# Altium PCB AD9361_EXT.PcbDoc (part 7 of 9)
Units mil, origin at the board's own origin, x right, y up, seen from the top; angles counter-clockwise.
Board outline 3145.03 x 1955.03 mil, 2 copper layers (Top Layer, Bottom Layer); 53 components, 59 nets, 286 pads, 253 vias.
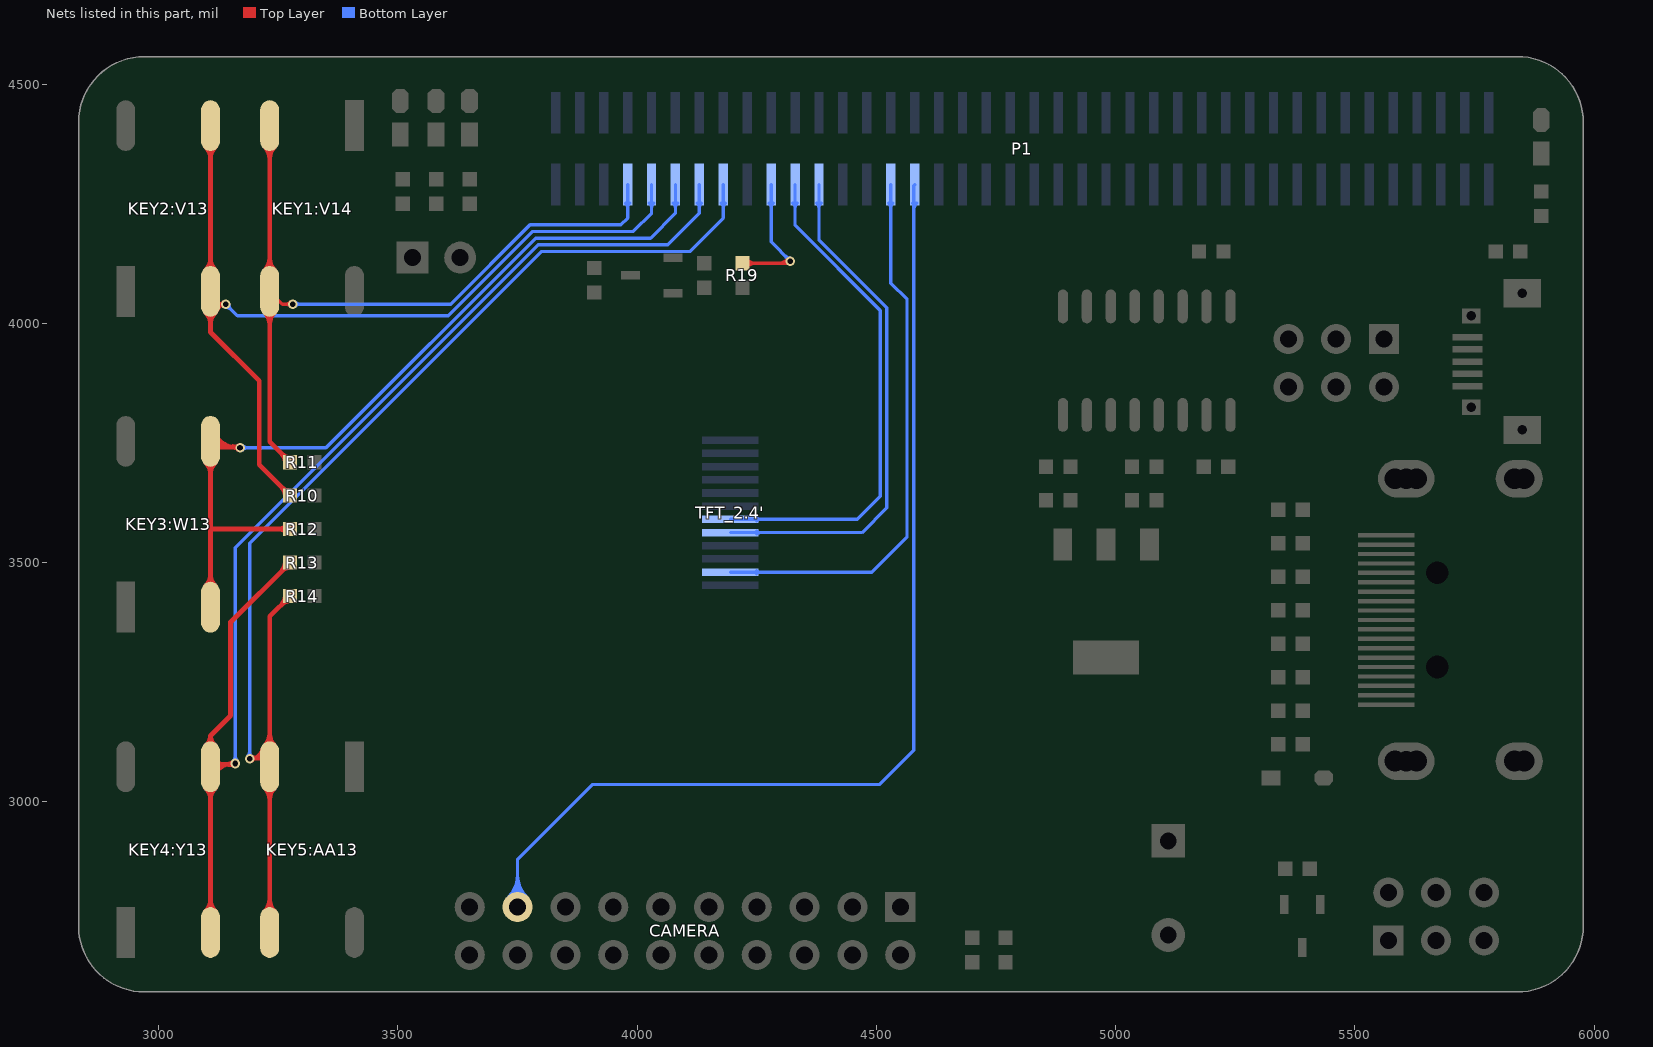
[diagram p7: the nets of this part, all layers, seen from the top]

## Via types
v1: diameter 20, hole 12, Top Layer to Bottom Layer, tented both sides, 253 vias

## Nets (pads, with @x,y where several pads share a name; then routed paths per layer and width w, separated by ;. In a path a pad name is that pad's centre, name@x,y a point inside that pad or via, vN(x,y) a via of type N, cw(c..) or ccw(c..) an arc to the next point about the centre after c; other vN are vias at no path point) (continued)
IO_15: CAMERA.17 P1.32 | length 3256.9
  Bottom Layer w7: CAMERA.17@3750,2780 3750,2880 3906,3036 4506,3036 4578,3108 4578,4288 P1.32@4580,4290 ; CAMERA.17@3730.2,2799.8 ccw(c3682.41,2847.59) 3750,2847.59 ; CAMERA.17@3730.2,2799.8 ccw(c3682.41,2847.59) 3750,2847.59 ; CAMERA.17@3730.2,2799.8 ccw(c3682.41,2847.59) 3750,2847.59 ; CAMERA.17@3730.2,2799.8 ccw(c3682.41,2847.59) 3750,2847.59 ; CAMERA.17@3735.15,2794.85 ccw(c3699.31,2830.69) 3750,2830.69 ; CAMERA.17@3735.15,2794.85 ccw(c3699.31,2830.69) 3750,2830.69 ; CAMERA.17@3735.15,2794.85 ccw(c3699.31,2830.69) 3750,2830.69 ; CAMERA.17@3735.15,2794.85 ccw(c3699.31,2830.69) 3750,2830.69 ; CAMERA.17@3740.1,2789.9 ccw(c3716.21,2813.79) 3750,2813.79 ; CAMERA.17@3740.1,2789.9 ccw(c3716.21,2813.79) 3750,2813.79 ; CAMERA.17@3740.1,2789.9 ccw(c3716.21,2813.79) 3750,2813.79 ; CAMERA.17@3740.1,2789.9 ccw(c3716.21,2813.79) 3750,2813.79 ; 3750,2813.79 ccw(c3783.79,2813.79) CAMERA.17@3759.9,2789.9 ; 3750,2813.79 ccw(c3783.79,2813.79) CAMERA.17@3759.9,2789.9 ; 3750,2813.79 ccw(c3783.79,2813.79) CAMERA.17@3759.9,2789.9 ; 3750,2813.79 ccw(c3783.79,2813.79) CAMERA.17@3759.9,2789.9 ; 3750,2830.69 ccw(c3800.69,2830.69) CAMERA.17@3764.85,2794.85 ; 3750,2830.69 ccw(c3800.69,2830.69) CAMERA.17@3764.85,2794.85 ; 3750,2830.69 ccw(c3800.69,2830.69) CAMERA.17@3764.85,2794.85 ; 3750,2830.69 ccw(c3800.69,2830.69) CAMERA.17@3764.85,2794.85 ; 3750,2847.59 ccw(c3817.59,2847.59) CAMERA.17@3769.8,2799.8 ; 3750,2847.59 ccw(c3817.59,2847.59) CAMERA.17@3769.8,2799.8 ; 3750,2847.59 ccw(c3817.59,2847.59) CAMERA.17@3769.8,2799.8 ; 3750,2847.59 ccw(c3817.59,2847.59) CAMERA.17@3769.8,2799.8 ; P1.32@4575.52,4251.66 cw(c4569.52,4245.66) 4578,4245.66 ; P1.32@4575.52,4251.66 cw(c4569.52,4245.66) 4578,4245.66 ; P1.32@4575.52,4251.66 cw(c4569.52,4245.66) 4578,4245.66 ; P1.32@4575.52,4251.66 cw(c4569.52,4245.66) 4578,4245.66 ; 4578,4236 cw(c4600.14,4236) P1.32@4584.48,4251.66 ; 4578,4236 cw(c4600.14,4236) P1.32@4584.48,4251.66 ; 4578,4236 cw(c4600.14,4236) P1.32@4584.48,4251.66 ; 4578,4236 cw(c4600.14,4236) P1.32@4584.48,4251.66
KEY1: KEY1:V14.2 P1.8 R11.1 | length 2738
  Top Layer w7: KEY1:V14.2@3231.83,4066.77 3258.6,4040 v1(3280,4040) ; 3264.31,4040 cw(c3264.31,4024.31) v1@3275.4,4035.4 ; 3264.31,4040 ccw(c3264.31,4055.69) v1@3275.4,4044.6 ; 3264.31,4040 cw(c3264.31,4024.31) v1@3275.4,4035.4 ; 3264.31,4040 ccw(c3264.31,4055.69) v1@3275.4,4044.6 ; 3264.31,4040 cw(c3264.31,4024.31) v1@3275.4,4035.4 ; 3264.31,4040 ccw(c3264.31,4055.69) v1@3275.4,4044.6 ; 3264.31,4040 cw(c3264.31,4024.31) v1@3275.4,4035.4 ; 3264.31,4040 ccw(c3264.31,4055.69) v1@3275.4,4044.6
  Top Layer w10: KEY1:V14.2@3231.83,4413.23 KEY1:V14.2@3231.83,4066.77 3231.83,3752.57 R11.1@3274.41,3710 ; KEY1:V14.2@3221.45,4022.92 cw(c3196.38,3997.85) 3231.83,3997.85 ; KEY1:V14.2@3221.45,4022.92 cw(c3196.38,3997.85) 3231.83,3997.85 ; KEY1:V14.2@3221.45,4022.92 cw(c3196.38,3997.85) 3231.83,3997.85 ; KEY1:V14.2@3221.45,4022.92 cw(c3196.38,3997.85) 3231.83,3997.85 ; KEY1:V14.2@3221.45,4110.62 ccw(c3196.38,4135.69) 3231.83,4135.69 ; KEY1:V14.2@3221.45,4110.62 ccw(c3196.38,4135.69) 3231.83,4135.69 ; KEY1:V14.2@3221.45,4110.62 ccw(c3196.38,4135.69) 3231.83,4135.69 ; KEY1:V14.2@3221.45,4110.62 ccw(c3196.38,4135.69) 3231.83,4135.69 ; KEY1:V14.2@3221.45,4369.38 cw(c3196.38,4344.31) 3231.83,4344.31 ; KEY1:V14.2@3221.45,4369.38 cw(c3196.38,4344.31) 3231.83,4344.31 ; KEY1:V14.2@3221.45,4369.38 cw(c3196.38,4344.31) 3231.83,4344.31 ; KEY1:V14.2@3221.45,4369.38 cw(c3196.38,4344.31) 3231.83,4344.31 ; 3231.83,3997.85 cw(c3267.29,3997.85) KEY1:V14.2@3242.22,4022.92 ; 3231.83,3997.85 cw(c3267.29,3997.85) KEY1:V14.2@3242.22,4022.92 ; 3231.83,3997.85 cw(c3267.29,3997.85) KEY1:V14.2@3242.22,4022.92 ; 3231.83,3997.85 cw(c3267.29,3997.85) KEY1:V14.2@3242.22,4022.92 ; 3231.83,4135.69 ccw(c3267.29,4135.69) KEY1:V14.2@3242.22,4110.62 ; 3231.83,4135.69 ccw(c3267.29,4135.69) KEY1:V14.2@3242.22,4110.62 ; 3231.83,4135.69 ccw(c3267.29,4135.69) KEY1:V14.2@3242.22,4110.62 ; 3231.83,4135.69 ccw(c3267.29,4135.69) KEY1:V14.2@3242.22,4110.62 ; 3231.83,4344.31 cw(c3267.29,4344.31) KEY1:V14.2@3242.22,4369.38 ; 3231.83,4344.31 cw(c3267.29,4344.31) KEY1:V14.2@3242.22,4369.38 ; 3231.83,4344.31 cw(c3267.29,4344.31) KEY1:V14.2@3242.22,4369.38 ; 3231.83,4344.31 cw(c3267.29,4344.31) KEY1:V14.2@3242.22,4369.38 ; 3257.34,3727.07 cw(c3240.26,3710) R11.1@3264.41,3710 ; 3257.34,3727.07 ccw(c3274.41,3744.14) R11.1@3274.41,3720 ; 3257.34,3727.07 cw(c3240.26,3710) R11.1@3264.41,3710 ; 3257.34,3727.07 ccw(c3274.41,3744.14) R11.1@3274.41,3720 ; 3257.34,3727.07 cw(c3240.26,3710) R11.1@3264.41,3710 ; 3257.34,3727.07 ccw(c3274.41,3744.14) R11.1@3274.41,3720 ; 3257.34,3727.07 cw(c3240.26,3710) R11.1@3264.41,3710 ; 3257.34,3727.07 ccw(c3274.41,3744.14) R11.1@3274.41,3720
  Bottom Layer w7: v1(3280,4040) 3610,4040 3776,4206 3966,4206 3980,4220 P1.8@3980,4290 ; v1@3284.6,4035.4 cw(c3295.69,4024.31) 3295.69,4040 ; v1@3284.6,4035.4 cw(c3295.69,4024.31) 3295.69,4040 ; v1@3284.6,4035.4 cw(c3295.69,4024.31) 3295.69,4040 ; v1@3284.6,4035.4 cw(c3295.69,4024.31) 3295.69,4040 ; v1@3284.6,4044.6 ccw(c3295.69,4055.69) 3295.69,4040 ; v1@3284.6,4044.6 ccw(c3295.69,4055.69) 3295.69,4040 ; v1@3284.6,4044.6 ccw(c3295.69,4055.69) 3295.69,4040 ; v1@3284.6,4044.6 ccw(c3295.69,4055.69) 3295.69,4040 ; P1.8@3975.52,4251.66 cw(c3964.69,4240.83) 3980,4240.83 ; P1.8@3975.52,4251.66 cw(c3964.69,4240.83) 3980,4240.83 ; P1.8@3975.52,4251.66 cw(c3964.69,4240.83) 3980,4240.83 ; P1.8@3975.52,4251.66 cw(c3964.69,4240.83) 3980,4240.83 ; 3980,4240.83 cw(c3995.31,4240.83) P1.8@3984.48,4251.66 ; 3980,4240.83 cw(c3995.31,4240.83) P1.8@3984.48,4251.66 ; 3980,4240.83 cw(c3995.31,4240.83) P1.8@3984.48,4251.66 ; 3980,4240.83 cw(c3995.31,4240.83) P1.8@3984.48,4251.66
KEY2: KEY2:V13.2 P1.10 R10.1 | length 4579.8
  Top Layer w7: KEY2:V13.2@3108.17,4040 v1(3140,4040) ; KEY2:V13.2@3119.74,4044.62 ccw(c3129.45,4054.11) 3132.97,4041 ccw(c3136.07,4029.41) KEY2:V13.2@3124.2,4031.07 ; KEY2:V13.2@3125.94,4041 cw(c3125.94,4030.56) v1@3134.6,4036.38 ; KEY2:V13.2@3126.71,4041 ccw(c3126.71,4053.29) v1@3135.4,4044.6 ; KEY2:V13.2@3116.87,4030.38 cw(c3130.26,4025.88) v1@3130.26,4040 ; KEY2:V13.2@3116.87,4030.38 cw(c3130.26,4025.88) v1@3130.26,4040 ; KEY2:V13.2@3116.87,4030.38 cw(c3130.26,4025.88) v1@3130.26,4040 ; KEY2:V13.2@3116.87,4030.38 cw(c3130.26,4025.88) v1@3130.26,4040 ; KEY2:V13.2@3119.61,4044.75 ccw(c3131.08,4056.22) v1@3131.08,4040 ; KEY2:V13.2@3119.61,4044.75 ccw(c3128.33,4053.47) 3128.33,4041.14 ; KEY2:V13.2@3119.61,4044.75 ccw(c3128.33,4053.47) 3128.33,4041.14 ; KEY2:V13.2@3119.61,4044.75 ccw(c3128.33,4053.47) 3128.33,4041.14 ; KEY2:V13.2@3119.61,4044.75 ccw(c3128.33,4053.47) 3128.33,4041.14 ; KEY2:V13.2@3119.61,4044.75 ccw(c3128.33,4053.47) 3128.33,4041.14 ; KEY2:V13.2@3119.61,4044.75 ccw(c3128.33,4053.47) 3128.33,4041.14 ; KEY2:V13.2@3119.61,4044.75 ccw(c3131.08,4056.22) v1@3131.08,4040 ; KEY2:V13.2@3119.61,4044.75 ccw(c3128.33,4053.47) 3128.33,4041.14 ; KEY2:V13.2@3119.61,4044.75 ccw(c3128.33,4053.47) 3128.33,4041.14 ; KEY2:V13.2@3119.61,4044.75 ccw(c3128.33,4053.47) 3128.33,4041.14 ; KEY2:V13.2@3119.61,4044.75 ccw(c3131.08,4056.22) v1@3131.08,4040 ; KEY2:V13.2@3119.61,4044.75 ccw(c3128.33,4053.47) 3128.33,4041.14 ; KEY2:V13.2@3119.61,4044.75 ccw(c3131.08,4056.22) v1@3131.08,4040 ; KEY2:V13.2@3120.35,4043.96 ccw(c3130.76,4053.08) v1@3130.76,4039.24 ; KEY2:V13.2@3120.35,4043.96 ccw(c3130.76,4053.08) v1@3130.76,4039.24 ; KEY2:V13.2@3120.35,4043.96 ccw(c3130.76,4053.08) v1@3130.76,4039.24 ; KEY2:V13.2@3120.35,4043.96 ccw(c3130.76,4053.08) v1@3130.76,4039.24 ; KEY2:V13.2@3120.35,4043.96 ccw(c3130.76,4053.08) v1@3130.76,4039.24 ; KEY2:V13.2@3120.35,4043.96 ccw(c3130.76,4053.08) v1@3130.76,4039.24 ; KEY2:V13.2@3120.35,4043.96 ccw(c3130.76,4053.08) v1@3130.76,4039.24 ; KEY2:V13.2@3120.35,4043.96 ccw(c3130.76,4053.08) v1@3130.76,4039.24 ; KEY2:V13.2@3120.35,4043.96 ccw(c3130.76,4053.08) v1@3130.76,4039.24 ; KEY2:V13.2@3120.35,4043.96 ccw(c3130.76,4053.08) v1@3130.76,4039.24 ; KEY2:V13.2@3120.51,4043.77 ccw(c3128.72,4050.73) v1@3131.51,4040.33 ; KEY2:V13.2@3120.51,4043.77 ccw(c3128.72,4050.73) v1@3131.51,4040.33 ; KEY2:V13.2@3120.51,4043.77 ccw(c3128.72,4050.73) v1@3131.51,4040.33 ; KEY2:V13.2@3120.51,4043.77 ccw(c3128.72,4050.73) v1@3131.51,4040.33 ; KEY2:V13.2@3120.51,4043.77 ccw(c3128.72,4050.73) v1@3131.51,4040.33 ; KEY2:V13.2@3120.51,4043.77 ccw(c3128.72,4050.73) v1@3131.51,4040.33 ; KEY2:V13.2@3121.47,4042.52 ccw(c3128.39,4047.3) v1@3130.56,4039.18 ; KEY2:V13.2@3121.47,4042.52 ccw(c3128.39,4047.3) v1@3130.56,4039.18 ; KEY2:V13.2@3121.47,4042.52 ccw(c3128.39,4047.3) v1@3130.56,4039.18 ; KEY2:V13.2@3121.47,4042.52 ccw(c3128.39,4047.3) v1@3130.56,4039.18 ; KEY2:V13.2@3121.47,4042.52 ccw(c3128.39,4047.3) v1@3130.56,4039.18 ; KEY2:V13.2@3123.51,4028.15 cw(c3140,4022.6) v1(3140,4040) ; KEY2:V13.2@3123.51,4028.15 cw(c3140,4022.6) v1(3140,4040) ; KEY2:V13.2@3123.51,4028.15 cw(c3140,4022.6) v1(3140,4040) ; KEY2:V13.2@3123.51,4028.15 cw(c3140,4022.6) v1(3140,4040) ; KEY2:V13.2@3124.28,4031.76 cw(c3132.77,4030.94) v1@3130.56,4039.18 ; KEY2:V13.2@3124.28,4031.76 cw(c3132.77,4030.94) v1@3130.56,4039.18 ; KEY2:V13.2@3124.28,4031.76 cw(c3132.77,4030.94) v1@3130.56,4039.18 ; KEY2:V13.2@3124.28,4031.76 cw(c3132.77,4030.94) v1@3130.56,4039.18 ; KEY2:V13.2@3124.28,4031.76 cw(c3132.77,4030.94) v1@3130.56,4039.18 ; KEY2:V13.2@3124.28,4031.78 cw(c3134.05,4030.86) v1@3131.51,4040.33 ; KEY2:V13.2@3124.28,4031.78 cw(c3134.05,4030.86) v1@3131.51,4040.33 ; KEY2:V13.2@3124.28,4031.78 cw(c3134.05,4030.86) v1@3131.51,4040.33 ; KEY2:V13.2@3124.28,4031.81 cw(c3133.19,4030.98) 3128.72,4038.72 ; KEY2:V13.2@3124.28,4031.81 cw(c3133.19,4030.98) 3128.72,4038.72 ; KEY2:V13.2@3124.28,4031.81 cw(c3133.19,4030.98) 3128.72,4038.72 ; KEY2:V13.2@3124.28,4031.78 cw(c3134.05,4030.86) v1@3131.51,4040.33 ; KEY2:V13.2@3124.28,4031.78 cw(c3134.05,4030.86) v1@3131.51,4040.33 ; KEY2:V13.2@3124.28,4031.81 cw(c3133.19,4030.98) 3128.72,4038.72 ; KEY2:V13.2@3124.28,4031.78 cw(c3134.05,4030.86) v1@3131.51,4040.33 ; KEY2:V13.2@3124.31,4040 cw(c3124.31,4024.31) v1@3135.4,4035.4 ; KEY2:V13.2@3124.31,4040 ccw(c3124.31,4055.69) v1@3135.4,4044.6 ; KEY2:V13.2@3124.31,4040 cw(c3124.31,4024.31) v1@3135.4,4035.4 ; KEY2:V13.2@3124.31,4040 ccw(c3124.31,4055.69) v1@3135.4,4044.6 ; KEY2:V13.2@3124.31,4040 cw(c3124.31,4024.31) v1@3135.4,4035.4 ; KEY2:V13.2@3124.31,4040 ccw(c3124.31,4055.69) v1@3135.4,4044.6 ; KEY2:V13.2@3124.31,4040 cw(c3124.31,4024.31) v1@3135.4,4035.4 ; KEY2:V13.2@3124.31,4040 ccw(c3124.31,4055.69) v1@3135.4,4044.6 ; KEY2:V13.2@3124.35,4032.96 cw(c3130.76,4032.82) v1@3130.76,4039.24 ; KEY2:V13.2@3124.35,4032.96 cw(c3130.76,4032.82) v1@3130.76,4039.24 ; KEY2:V13.2@3124.35,4032.96 cw(c3130.76,4032.82) v1@3130.76,4039.24 ; KEY2:V13.2@3124.35,4032.96 cw(c3130.76,4032.82) v1@3130.76,4039.24 ; KEY2:V13.2@3124.35,4032.96 cw(c3130.76,4032.82) v1@3130.76,4039.24 ; KEY2:V13.2@3124.35,4032.96 cw(c3130.76,4032.82) v1@3130.76,4039.24 ; KEY2:V13.2@3124.35,4032.96 cw(c3130.76,4032.82) v1@3130.76,4039.24 ; KEY2:V13.2@3124.35,4032.96 cw(c3130.76,4032.82) v1@3130.76,4039.24 ; KEY2:V13.2@3124.35,4032.96 cw(c3130.76,4032.82) v1@3130.76,4039.24 ; KEY2:V13.2@3124.35,4032.96 cw(c3130.76,4032.82) v1@3130.76,4039.24 ; KEY2:V13.2@3125.94,4040.33 cw(c3125.94,4028.95) v1@3134.89,4035.98 ; KEY2:V13.2@3125.94,4040.33 ccw(c3125.94,4052.95) v1@3135.22,4044.4 ; KEY2:V13.2@3125.94,4040.33 cw(c3125.94,4028.95) v1@3134.89,4035.98 ; KEY2:V13.2@3125.94,4040.33 ccw(c3125.94,4052.95) v1@3135.22,4044.4 ; KEY2:V13.2@3125.94,4040.33 cw(c3125.94,4028.95) v1@3134.89,4035.98 ; KEY2:V13.2@3125.94,4040.33 ccw(c3125.94,4052.95) v1@3135.22,4044.4 ; KEY2:V13.2@3125.94,4040.33 cw(c3125.94,4028.95) v1@3134.89,4035.98 ; KEY2:V13.2@3125.94,4040.33 ccw(c3125.94,4052.95) v1@3135.22,4044.4 ; KEY2:V13.2@3125.94,4040.33 cw(c3125.94,4028.95) v1@3134.89,4035.98 ; KEY2:V13.2@3125.94,4040.33 ccw(c3125.94,4052.95) v1@3135.22,4044.4 ; KEY2:V13.2@3125.94,4040.33 cw(c3125.94,4028.95) v1@3134.89,4035.98 ; KEY2:V13.2@3125.94,4040.33 ccw(c3125.94,4052.95) v1@3135.22,4044.4 ; KEY2:V13.2@3125.94,4040.33 cw(c3125.94,4028.95) v1@3134.89,4035.98 ; KEY2:V13.2@3125.94,4040.33 ccw(c3125.94,4052.95) v1@3135.22,4044.4 ; KEY2:V13.2@3125.94,4040.33 cw(c3125.94,4028.95) v1@3134.89,4035.98 ; KEY2:V13.2@3125.94,4040.33 ccw(c3125.94,4052.95) v1@3135.22,4044.4 ; KEY2:V13.2@3125.94,4040.33 cw(c3125.94,4028.95) v1@3134.89,4035.98 ; KEY2:V13.2@3125.94,4040.33 ccw(c3125.94,4052.95) v1@3135.22,4044.4 ; KEY2:V13.2@3125.94,4040.33 cw(c3125.94,4028.95) v1@3134.89,4035.98 ; KEY2:V13.2@3125.94,4040.33 ccw(c3125.94,4052.95) v1@3135.22,4044.4 ; KEY2:V13.2@3126.21,4039.18 ccw(c3126.21,4049.34) v1@3134.62,4043.64 ; KEY2:V13.2@3126.21,4039.18 ccw(c3126.21,4049.34) v1@3134.62,4043.64 ; KEY2:V13.2@3126.21,4039.18 ccw(c3126.21,4049.34) v1@3134.62,4043.64 ; KEY2:V13.2@3126.21,4039.18 ccw(c3126.21,4049.34) v1@3134.62,4043.64 ; KEY2:V13.2@3126.21,4039.18 ccw(c3126.21,4049.34) v1@3134.62,4043.64 ; KEY2:V13.2@3126.21,4039.18 ccw(c3126.21,4049.34) v1@3134.62,4043.64 ; KEY2:V13.2@3126.28,4039.18 cw(c3126.28,4026.28) v1@3135.4,4035.4 ; KEY2:V13.2@3126.28,4039.18 cw(c3126.28,4026.28) v1@3135.4,4035.4 ; KEY2:V13.2@3126.28,4039.18 cw(c3126.28,4026.28) v1@3135.4,4035.4 ; KEY2:V13.2@3126.28,4039.18 cw(c3126.28,4026.28) v1@3135.4,4035.4 ; KEY2:V13.2@3126.28,4039.18 cw(c3126.28,4026.28) v1@3135.4,4035.4 ; KEY2:V13.2@3126.28,4039.18 cw(c3126.28,4026.28) v1@3135.4,4035.4 ; KEY2:V13.2@3126.83,4041.14 ccw(c3128.78,4048.4) v1@3134.8,4043.9 ; KEY2:V13.2@3126.83,4041.14 ccw(c3128.78,4048.4) v1@3134.8,4043.9 ; KEY2:V13.2@3126.83,4041.14 ccw(c3128.78,4048.4) v1@3134.8,4043.9 ; KEY2:V13.2@3126.83,4041.14 ccw(c3128.78,4048.4) v1@3134.8,4043.9 ; KEY2:V13.2@3126.83,4041.14 ccw(c3128.78,4048.4) v1@3134.8,4043.9 ; KEY2:V13.2@3126.83,4041.14 ccw(c3128.78,4048.4) v1@3134.8,4043.9 ; KEY2:V13.2@3126.83,4041.14 ccw(c3128.78,4048.4) v1@3134.8,4043.9 ; KEY2:V13.2@3126.83,4041.14 ccw(c3128.78,4048.4) v1@3134.8,4043.9 ; KEY2:V13.2@3126.83,4041.14 ccw(c3128.78,4048.4) v1@3134.8,4043.9 ; KEY2:V13.2@3126.83,4041.14 ccw(c3128.78,4048.4) v1@3134.8,4043.9 ; KEY2:V13.2@3127.42,4039.24 cw(c3129.09,4032.99) v1@3134.53,4036.49 ; KEY2:V13.2@3127.42,4039.24 cw(c3129.09,4032.99) v1@3134.53,4036.49 ; KEY2:V13.2@3127.42,4039.24 cw(c3129.09,4032.99) v1@3134.53,4036.49 ; KEY2:V13.2@3127.42,4039.24 cw(c3129.09,4032.99) v1@3134.53,4036.49 ; KEY2:V13.2@3127.42,4039.24 cw(c3129.09,4032.99) v1@3134.53,4036.49 ; KEY2:V13.2@3127.42,4039.24 cw(c3129.09,4032.99) v1@3134.53,4036.49 ; KEY2:V13.2@3127.42,4039.24 cw(c3129.09,4032.99) v1@3134.53,4036.49 ; KEY2:V13.2@3127.42,4039.24 cw(c3129.09,4032.99) v1@3134.53,4036.49 ; KEY2:V13.2@3127.42,4039.24 cw(c3129.09,4032.99) v1@3134.53,4036.49 ; KEY2:V13.2@3127.42,4039.24 cw(c3129.09,4032.99) v1@3134.53,4036.49 ; 3128.74,4038.13 cw(c3130.84,4034.51) v1@3134.42,4036.66 ; 3128.74,4038.13 cw(c3130.84,4034.51) v1@3134.42,4036.66 ; 3128.74,4038.13 cw(c3130.84,4034.51) v1@3134.42,4036.66 ; 3128.74,4038.13 cw(c3130.84,4034.51) v1@3134.42,4036.66 ; 3128.74,4038.13 cw(c3130.84,4034.51) v1@3134.42,4036.66 ; 3128.74,4038.13 cw(c3130.84,4034.51) v1@3134.42,4036.66 ; 3129.07,4039.69 ccw(c3130.11,4043.56) v1@3133.89,4042.2 ; 3129.07,4039.69 ccw(c3130.11,4043.56) v1@3133.89,4042.2 ; 3129.07,4039.69 ccw(c3130.11,4043.56) v1@3133.89,4042.2 ; 3129.07,4039.69 ccw(c3130.11,4043.56) v1@3133.89,4042.2 ; 3129.07,4039.69 ccw(c3130.11,4043.56) v1@3133.89,4042.2 ; 3129.07,4039.69 ccw(c3130.11,4043.56) v1@3133.89,4042.2 ; 3129.07,4039.69 ccw(c3130.11,4043.56) v1@3133.89,4042.2 ; 3129.07,4039.69 ccw(c3130.11,4043.56) v1@3133.89,4042.2 ; 3129.07,4039.69 ccw(c3130.11,4043.56) v1@3133.89,4042.2 ; 3129.07,4039.69 ccw(c3130.11,4043.56) v1@3133.89,4042.2 ; 3129.07,4039.69 ccw(c3130.11,4043.56) v1@3133.89,4042.2 ; 3129.07,4039.69 ccw(c3130.11,4043.56) v1@3133.89,4042.2 ; 3129.07,4039.69 ccw(c3130.11,4043.56) v1@3133.89,4042.2 ; 3129.07,4039.69 ccw(c3130.11,4043.56) v1@3133.89,4042.2 ; 3129.07,4039.69 ccw(c3130.11,4043.56) v1@3133.89,4042.2 ; 3129.63,4040.39 cw(c3127.6,4032.84) v1@3134.37,4036.75 ; 3129.63,4040.39 cw(c3127.6,4032.84) v1@3134.37,4036.75 ; 3129.63,4040.39 cw(c3127.6,4032.84) v1@3134.37,4036.75 ; 3129.63,4040.39 cw(c3127.6,4032.84) v1@3134.37,4036.75 ; 3129.63,4040.39 cw(c3127.6,4032.84) v1@3134.37,4036.75 ; 3129.63,4040.39 cw(c3127.6,4032.84) v1@3134.37,4036.75 ; 3129.63,4040.39 cw(c3127.6,4032.84) v1@3134.37,4036.75 ; 3129.63,4040.39 cw(c3127.6,4032.84) v1@3134.37,4036.75 ; 3129.63,4040.39 cw(c3127.6,4032.84) v1@3134.37,4036.75 ; 3129.63,4040.39 cw(c3127.6,4032.84) v1@3134.37,4036.75
  Top Layer w10: KEY2:V13.2@3110,4415.06 KEY2:V13.2@3108.17,4413.23 KEY2:V13.2@3108.17,4066.77 3108.17,4040 3108.17,3981.83 3210,3880 3210,3704.4 R10.1@3274.41,3640 ; KEY2:V13.2@3097.78,4022.92 cw(c3072.71,3997.85) 3108.17,3997.85 ; KEY2:V13.2@3097.78,4022.92 cw(c3072.71,3997.85) 3108.17,3997.85 ; KEY2:V13.2@3097.78,4022.92 cw(c3072.71,3997.85) 3108.17,3997.85 ; KEY2:V13.2@3097.78,4022.92 cw(c3072.71,3997.85) 3108.17,3997.85 ; KEY2:V13.2@3097.78,4110.62 ccw(c3072.71,4135.69) 3108.17,4135.69 ; KEY2:V13.2@3097.78,4110.62 ccw(c3072.71,4135.69) 3108.17,4135.69 ; KEY2:V13.2@3097.78,4110.62 ccw(c3072.71,4135.69) 3108.17,4135.69 ; KEY2:V13.2@3097.78,4110.62 ccw(c3072.71,4135.69) 3108.17,4135.69 ; KEY2:V13.2@3097.78,4369.38 cw(c3072.71,4344.31) 3108.17,4344.31 ; KEY2:V13.2@3097.78,4369.38 cw(c3072.71,4344.31) 3108.17,4344.31 ; KEY2:V13.2@3097.78,4369.38 cw(c3072.71,4344.31) 3108.17,4344.31 ; KEY2:V13.2@3097.78,4369.38 cw(c3072.71,4344.31) 3108.17,4344.31 ; 3108.17,3997.85 cw(c3143.62,3997.85) KEY2:V13.2@3118.55,4022.92 ; 3108.17,3997.85 cw(c3143.62,3997.85) KEY2:V13.2@3118.55,4022.92 ; 3108.17,3997.85 cw(c3143.62,3997.85) KEY2:V13.2@3118.55,4022.92 ; 3108.17,3997.85 cw(c3143.62,3997.85) KEY2:V13.2@3118.55,4022.92 ; 3108.17,4135.69 ccw(c3143.62,4135.69) KEY2:V13.2@3118.55,4110.62 ; 3108.17,4135.69 ccw(c3143.62,4135.69) KEY2:V13.2@3118.55,4110.62 ; 3108.17,4135.69 ccw(c3143.62,4135.69) KEY2:V13.2@3118.55,4110.62 ; 3108.17,4135.69 ccw(c3143.62,4135.69) KEY2:V13.2@3118.55,4110.62 ; 3108.17,4344.31 cw(c3143.62,4344.31) KEY2:V13.2@3118.55,4369.38 ; 3108.17,4344.31 cw(c3143.62,4344.31) KEY2:V13.2@3118.55,4369.38 ; 3108.17,4344.31 cw(c3143.62,4344.31) KEY2:V13.2@3118.55,4369.38 ; 3108.17,4344.31 cw(c3143.62,4344.31) KEY2:V13.2@3118.55,4369.38 ; 3257.34,3657.07 cw(c3240.26,3640) R10.1@3264.41,3640 ; 3257.34,3657.07 ccw(c3274.41,3674.14) R10.1@3274.41,3650 ; 3257.34,3657.07 cw(c3240.26,3640) R10.1@3264.41,3640 ; 3257.34,3657.07 ccw(c3274.41,3674.14) R10.1@3274.41,3650 ; 3257.34,3657.07 cw(c3240.26,3640) R10.1@3264.41,3640 ; 3257.34,3657.07 ccw(c3274.41,3674.14) R10.1@3274.41,3650 ; 3257.34,3657.07 cw(c3240.26,3640) R10.1@3264.41,3640 ; 3257.34,3657.07 ccw(c3274.41,3674.14) R10.1@3274.41,3650
  Bottom Layer w7: v1(3140,4040) 3164.53,4015.47 3605.27,4015.47 3781.8,4192 3992,4192 4030,4230 P1.10@4030,4290 ; v1@3140,4033.5 cw(c3140,4017.81) 3151.1,4028.9 ; v1@3140,4033.5 cw(c3140,4017.81) 3151.1,4028.9 ; v1@3140,4033.5 cw(c3140,4017.81) 3151.1,4028.9 ; v1@3140,4033.5 cw(c3140,4017.81) 3151.1,4028.9 ; v1@3146.5,4040 ccw(c3162.19,4040) 3151.1,4028.9 ; v1@3146.5,4040 ccw(c3162.19,4040) 3151.1,4028.9 ; v1@3146.5,4040 ccw(c3162.19,4040) 3151.1,4028.9 ; v1@3146.5,4040 ccw(c3162.19,4040) 3151.1,4028.9 ; P1.10@4025.52,4251.66 cw(c4014.69,4240.83) 4030,4240.83 ; P1.10@4025.52,4251.66 cw(c4014.69,4240.83) 4030,4240.83 ; P1.10@4025.52,4251.66 cw(c4014.69,4240.83) 4030,4240.83 ; P1.10@4025.52,4251.66 cw(c4014.69,4240.83) 4030,4240.83 ; 4030,4240.83 cw(c4045.31,4240.83) P1.10@4034.48,4251.66 ; 4030,4240.83 cw(c4045.31,4240.83) P1.10@4034.48,4251.66 ; 4030,4240.83 cw(c4045.31,4240.83) P1.10@4034.48,4251.66 ; 4030,4240.83 cw(c4045.31,4240.83) P1.10@4034.48,4251.66
KEY3: KEY3:W13.2 P1.12 R12.1 | length 3903.3
  Top Layer w7: KEY3:W13.2@3115.64,3740 v1(3170,3740) ; KEY3:W13.2@3104.43,3750.19 ccw(c3125.85,3767.61) KEY3:W13.2@3125.85,3740 ; KEY3:W13.2@3104.43,3750.19 ccw(c3125.85,3767.61) KEY3:W13.2@3125.85,3740 ; KEY3:W13.2@3104.43,3750.19 ccw(c3125.85,3767.61) KEY3:W13.2@3125.85,3740 ; KEY3:W13.2@3104.43,3750.19 ccw(c3125.85,3767.61) KEY3:W13.2@3125.85,3740 ; KEY3:W13.2@3109.86,3754.61 ccw(c3140.57,3779.58) 3140.57,3740 ; KEY3:W13.2@3109.86,3754.61 ccw(c3140.57,3779.58) 3140.57,3740 ; KEY3:W13.2@3109.86,3754.61 ccw(c3140.57,3779.58) 3140.57,3740 ; KEY3:W13.2@3109.86,3754.61 ccw(c3140.57,3779.58) 3140.57,3740 ; KEY3:W13.2@3115.29,3759.02 ccw(c3155.28,3791.54) 3155.28,3740 ; KEY3:W13.2@3115.29,3759.02 ccw(c3155.28,3791.54) 3155.28,3740 ; KEY3:W13.2@3115.29,3759.02 ccw(c3155.28,3791.54) 3155.28,3740 ; KEY3:W13.2@3115.29,3759.02 ccw(c3155.28,3791.54) 3155.28,3740 ; KEY3:W13.2@3115.38,3747.54 cw(c3122.96,3741.55) 3128.63,3749.38 ; KEY3:W13.2@3115.38,3747.54 cw(c3122.96,3741.55) 3128.63,3749.38 ; KEY3:W13.2@3115.38,3747.54 cw(c3122.96,3741.55) 3128.63,3749.38 ; KEY3:W13.2@3115.38,3747.54 cw(c3122.96,3741.55) 3128.63,3749.38 ; KEY3:W13.2@3115.38,3747.54 cw(c3122.96,3741.55) 3128.63,3749.38 ; KEY3:W13.2@3115.38,3747.54 cw(c3122.96,3741.55) 3128.63,3749.38 ; KEY3:W13.2@3120.72,3763.44 ccw(c3170,3803.51) v1(3170,3740) ; KEY3:W13.2@3120.72,3763.44 ccw(c3170,3803.51) v1(3170,3740) ; KEY3:W13.2@3120.72,3763.44 ccw(c3170,3803.51) v1(3170,3740) ; KEY3:W13.2@3120.72,3763.44 ccw(c3170,3803.51) v1(3170,3740) ; KEY3:W13.2@3120.87,3743.2 cw(c3128.7,3737.02) 3134.54,3745.1 ; KEY3:W13.2@3120.87,3743.2 cw(c3128.7,3737.02) 3134.54,3745.1 ; KEY3:W13.2@3120.87,3743.2 cw(c3128.7,3737.02) 3134.54,3745.1 ; KEY3:W13.2@3120.87,3743.2 cw(c3128.7,3737.02) 3134.54,3745.1 ; KEY3:W13.2@3120.87,3743.2 cw(c3128.7,3737.02) 3134.54,3745.1 ; KEY3:W13.2@3120.87,3743.2 cw(c3128.7,3737.02) 3134.54,3745.1 ; KEY3:W13.2@3124.15,3755.79 ccw(c3132.82,3757.18) KEY3:W13.2@3127.67,3750.07 ; KEY3:W13.2@3124.15,3755.79 ccw(c3132.82,3757.18) KEY3:W13.2@3127.67,3750.07 ; KEY3:W13.2@3124.15,3755.79 ccw(c3132.82,3757.18) KEY3:W13.2@3127.67,3750.07 ; KEY3:W13.2@3124.15,3755.79 ccw(c3132.82,3757.18) KEY3:W13.2@3127.67,3750.07 ; KEY3:W13.2@3124.15,3755.79 ccw(c3132.82,3757.18) KEY3:W13.2@3127.67,3750.07 ; KEY3:W13.2@3124.15,3755.79 ccw(c3132.82,3757.18) KEY3:W13.2@3127.67,3750.07 ; 3154.31,3740 cw(c3154.31,3724.31) v1@3165.4,3735.4 ; 3154.31,3740 ccw(c3154.31,3755.69) v1@3165.4,3744.6 ; 3154.31,3740 cw(c3154.31,3724.31) v1@3165.4,3735.4 ; 3154.31,3740 ccw(c3154.31,3755.69) v1@3165.4,3744.6 ; 3154.31,3740 cw(c3154.31,3724.31) v1@3165.4,3735.4 ; 3154.31,3740 ccw(c3154.31,3755.69) v1@3165.4,3744.6 ; 3154.31,3740 cw(c3154.31,3724.31) v1@3165.4,3735.4 ; 3154.31,3740 ccw(c3154.31,3755.69) v1@3165.4,3744.6 ; 3154.78,3743.83 cw(c3150.95,3728.62) v1@3164.42,3736.67 ; 3154.78,3743.83 ccw(c3158.62,3759.05) v1@3166.67,3745.58 ; 3154.78,3743.83 cw(c3150.95,3728.62) v1@3164.42,3736.67 ; 3154.78,3743.83 ccw(c3158.62,3759.05) v1@3166.67,3745.58 ; 3154.78,3743.83 cw(c3150.95,3728.62) v1@3164.42,3736.67 ; 3154.78,3743.83 ccw(c3158.62,3759.05) v1@3166.67,3745.58 ; 3154.78,3743.83 cw(c3150.95,3728.62) v1@3164.42,3736.67 ; 3154.78,3743.83 ccw(c3158.62,3759.05) v1@3166.67,3745.58 ; 3154.78,3743.83 cw(c3150.95,3728.62) v1@3164.42,3736.67 ; 3154.78,3743.83 ccw(c3158.62,3759.05) v1@3166.67,3745.58 ; 3154.78,3743.83 cw(c3150.95,3728.62) v1@3164.42,3736.67 ; 3154.78,3743.83 ccw(c3158.62,3759.05) v1@3166.67,3745.58 ; 3154.78,3743.83 cw(c3150.95,3728.62) v1@3164.42,3736.67 ; 3154.78,3743.83 ccw(c3158.62,3759.05) v1@3166.67,3745.58 ; 3154.78,3743.83 cw(c3150.95,3728.62) v1@3164.42,3736.67 ; 3154.78,3743.83 ccw(c3158.62,3759.05) v1@3166.67,3745.58 ; 3154.78,3743.83 cw(c3150.95,3728.62) v1@3164.42,3736.67 ; 3154.78,3743.83 ccw(c3158.62,3759.05) v1@3166.67,3745.58 ; 3154.78,3743.83 cw(c3150.95,3728.62) v1@3164.42,3736.67 ; 3154.78,3743.83 ccw(c3158.62,3759.05) v1@3166.67,3745.58